# Altium PCB Coral Dev Board Micro.PcbDoc (part 6 of 6)
Units mm, origin at the board's own origin, x right, y up, seen from the top; angles counter-clockwise.
Board outline 65 x 30 mm, 8 copper layers (Top Layer, L2, L3, L4, L5, L6, L7, Bottom Layer), stack 1.582 mm thick; 356 components, 316 nets, 1515 pads, 809 vias.
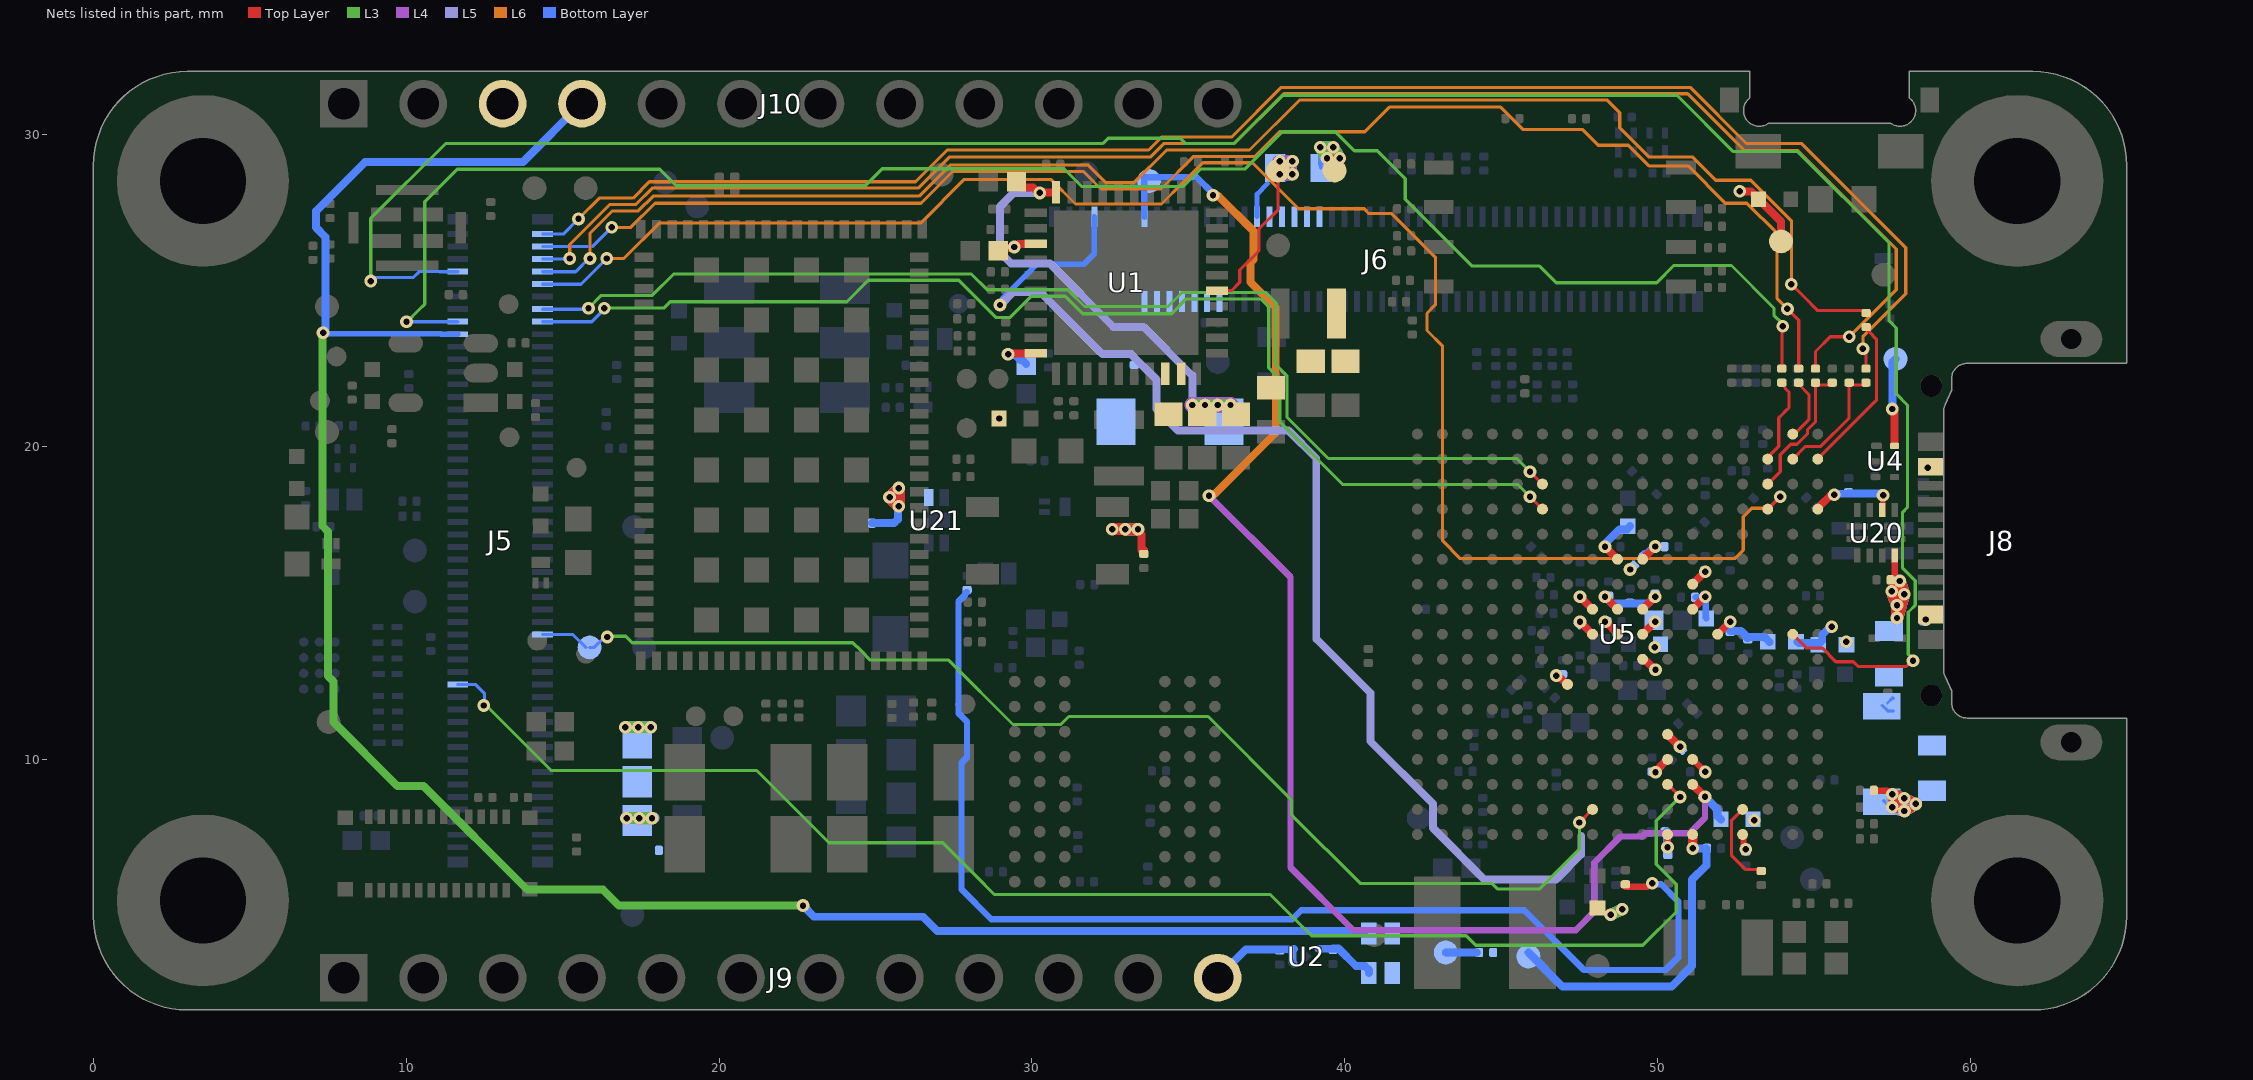
[diagram p12: the nets of this part, all layers, seen from the top]

## Via types
v1: diameter 0.406, hole 0.203, Top Layer to Bottom Layer, tented both sides, 809 vias

## Nets (pads, with @x,y where several pads share a name; then routed paths per layer and width w, separated by ;. In a path a pad name is that pad's centre, name@x,y a point inside that pad or via, vN(x,y) a via of type N, cw(c..) or ccw(c..) an arc to the next point about the centre after c; other vN are vias at no path point) (continued)
VDD_3V3: C2.1 C3.1 C30.1 FB1.2 FB5.1 J6.33 J6.35 J6.37 J6.39 J6.41 J10.3 R2.2 R169.2 R170.2 R194.1 R415.1 TP14.1 TP16.1 U1.3 U1.10 U21.1 | length 19.9
  Top Layer w0.102: v1(39.433,29.223) 39.611,29.223 v1@39.726,29.337 ; v1(39.637,29.578) v1@39.637,29.619
  Top Layer w0.254: C2.1@28.927,26.361 29.409,26.361 v1(29.439,26.391) 29.48,26.391 29.571,26.482 30.112,26.482 U1.3@30.12,26.49 ; v1(29.239,22.958) 29.263,22.982 30.112,22.982 U1.10@30.12,22.99 ; v1(52.629,28.169) 52.992,28.169 53.234,27.927 R170.2@53.234,27.902 ; R170.2@53.234,27.915 R170.2@53.234,27.902 ; TP14.1@53.95,26.568 53.944,26.574 53.944,27.204 53.357,27.792 53.344,27.792 R170.2@53.234,27.902
  Top Layer w0.381: v1@25.717,18.11 25.717,18.116 25.451,18.383 v1(25.451,18.39) v1(25.743,18.682) 25.748,18.677 25.748,18.131 v1@25.756,18.123
  L3 w0.3: v1(25.451,18.39) v1(25.743,18.098) v1(25.743,18.682) v1(25.451,18.39)
  L3 w0.381: v1@39.218,29.566 v1@39.224,29.566 ; v1(39.218,29.578) v1@39.225,29.566 ; v1(48.501,5.042) v1(48.87,5.22) ; v1@39.225,29.566 39.231,29.572 39.423,29.572 v1(39.637,29.578) 39.74,29.398 v1(39.84,29.223) v1(39.433,29.223) 39.33,29.392 v1@39.225,29.566
  L6 w0.381: v1(48.501,5.042) v1(48.87,5.22) ; v1(25.451,18.39) v1(25.743,18.098) v1(25.743,18.682) v1(25.451,18.39)
  L5 w0.381: v1@39.218,29.566 v1@39.224,29.566 ; v1(39.218,29.578) v1@39.225,29.566 ; v1(48.501,5.042) v1(48.87,5.22) ; v1@39.225,29.566 39.33,29.392 v1(39.433,29.223) v1(39.84,29.223) 39.74,29.398 v1(39.637,29.578) 39.423,29.572 39.231,29.572 v1@39.225,29.566 ; v1(25.451,18.39) v1(25.743,18.098) v1(25.743,18.682) v1(25.451,18.39)
  Bottom Layer w0.102: R2.2@39.231,28.918 39.231,29.021 v1(39.433,29.223) ; R415.1@53.057,8.09 53.07,8.077 53.074,8.077 v1(53.09,8.062)
  Bottom Layer w0.152: R2.2@39.218,29.031 v1@39.218,29.566 ; v1@39.624,29.527 39.624,29.566 v1(39.637,29.578) ; v1@39.827,29.235 v1(39.84,29.223)
  Bottom Layer w0.254: C30.1@24.89,17.562 25.594,17.562 25.714,17.682 25.714,18.068 v1(25.743,18.098) ; v1(29.239,22.958) 29.268,22.929 29.472,22.929 29.618,22.782 29.687,22.782 C3.1@29.82,22.65 ; FB1.2@54.473,13.767 54.518,13.722 FB5.1@55.124,13.722 ; FB5.1@55.143,13.678 55.266,13.801 55.266,13.991 55.491,14.216 55.542,14.216 v1(55.571,14.246)
  Bottom Layer w0.381: v1@48.496,5.037 v1(48.501,5.042) v1(48.87,5.22)
  other v1: 28.951,20.904
VDD_3V3_SENSE: C8.1 C9.1 J6.31 L1.2 R2.1 TP3.1 U1.25 | length 12.1
  Top Layer w0.102: U1.25@35.92,24.99 35.924,24.994 36.382,24.994 36.647,25.258 36.647,25.652 37.262,26.266 37.262,26.975 37.871,27.584 TP3.1@37.871,28.829 ; TP3.1@37.876,29.129 37.876,28.834 TP3.1@37.871,28.829 ; v1@38.278,28.702 37.998,28.702 TP3.1@37.871,28.829
  L4 w0.381: v1@38.276,28.712 38.278,28.714 38.278,29.108 38.271,29.108 38.255,29.124 v1@37.881,29.124 ; v1@38.278,28.702 v1@38.273,28.707 ; v1@37.876,29.129 37.874,29.127 37.874,28.73 37.871,28.727 37.878,28.727 37.899,28.707 v1@38.273,28.707 ; v1@37.876,29.129 v1@37.881,29.124 ; v1@37.876,29.129 v1@37.881,29.124 ; v1@37.881,29.124 37.881,29.106 38.273,28.714 v1@38.273,28.707
  L5 w0.381: v1@38.276,28.712 38.278,28.714 38.278,29.108 38.271,29.108 38.255,29.124 v1@37.881,29.124 ; v1@38.278,28.702 v1@38.273,28.707 ; v1@37.876,29.129 37.874,29.127 37.874,28.73 37.871,28.727 37.878,28.727 37.899,28.707 v1@38.273,28.707 ; v1@37.876,29.129 v1@37.881,29.124 ; v1@37.876,29.129 v1@37.881,29.124 ; v1@37.881,29.124 37.881,29.106 38.273,28.714 v1@38.273,28.707
  Bottom Layer w0.102: R2.1@37.871,28.727 R2.1@37.871,28.828 ; R2.1@37.871,28.828 37.876,28.833 37.876,29.129 37.781,29.034 R2.1@37.781,28.918 R2.1@37.871,28.828
  Bottom Layer w0.152: J6.31@37.2,27.355 37.2,28.081 37.528,28.41
  other v1: 37.922,28.715 38.329,28.715 37.922,29.129 38.329,29.129
VDD_COIN_3V: D3.A J5.83 J10.4 | length 66.7
  L3 w0.254: v1(7.341,23.647) 7.315,23.622 7.315,17.474 7.493,17.296 7.493,12.674 7.671,12.496 7.671,11.201 9.713,9.159 10.551,9.159 13.868,5.842 16.287,5.842 16.795,5.334 v1(22.682,5.334)
  Bottom Layer w0.178: v1(7.341,23.647) 7.379,23.609 11.11,23.609 11.114,23.606 11.639,23.606 J5.83@11.645,23.6
  Bottom Layer w0.254: v1(7.341,23.647) 7.341,23.689 7.42,23.768 7.42,26.702 7.112,27.01 7.112,27.534 8.687,29.108 13.728,29.108 J10.4@15.62,31 ; v1(22.682,5.334) 23.038,4.978 26.518,4.978 26.975,4.521 D3.A@40.639,4.521
VDD_LPSR_ANA: C290.1 U5.P12 | length 0.6
  Top Layer w0.203: U5.P12@51.122,10.008 v1(51.522,9.608)
VDD_LPSR_DIG: C296.1 U5.P11 | length 0.7
  Top Layer w0.102: v1(49.936,9.601) v1@49.936,9.622
  Top Layer w0.25: v1@49.936,9.622 U5.P11@50.322,10.008
  Bottom Layer w0.254: C296.1@49.878,9.568 49.933,9.568 49.936,9.571 v1(49.936,9.601)
VDD_LPSR_IN: C300.1 J6.13 R415.2 TP15.1 U5.R12 | length 46.9
  Top Layer w0.254: U5.R12@51.122,9.208 v1(51.516,8.814)
  L4 w0.203: v1(35.662,18.44) 38.265,15.837 38.265,6.553 40.272,4.547 47.384,4.547 47.981,5.143 47.981,6.706 48.819,7.544 49.505,7.544 49.606,7.645 51.024,7.645 51.516,8.138 v1(51.516,8.814)
  L6 w0.254: v1(35.662,18.44) 35.691,18.47 35.818,18.47 37.795,20.447 37.795,24.459 36.982,25.272 36.982,25.888 37.084,25.99 37.084,26.896 35.968,28.012 35.818,28.012 v1(35.789,28.042)
  Bottom Layer w0.203: J6.13@33.6,27.355 33.593,27.362 33.593,28.598 33.579,28.613 35.272,28.613 35.789,28.097 v1(35.789,28.042)
  Bottom Layer w0.254: v1(51.516,8.814) 51.921,8.409 51.921,8.2 R415.2@52.032,8.09
VDD_MIPI_1P0: C272.1 R1848.2 U5.F10 | length 1
  Top Layer w0.25: U5.F10@49.522,16.408 49.924,16.81 v1(49.924,16.815)
  Bottom Layer w0.254: R1848.2@49.619,16.573 49.633,16.559 49.636,16.559 49.892,16.815 v1@49.911,16.815
VDD_MIPI_1P8: C119.1 FB3.2 U5.F9 | length 1.7
  Top Layer w0.254: v1(48.322,16.808) U5.F9@48.722,16.408
  Bottom Layer w0.254: v1(48.322,16.808) 48.325,16.811 48.325,16.905 48.779,17.359 49.019,17.359 FB3.2@49.124,17.464
VDD_SNVS: C302.1 R419.2 TP11.1 U5.U12 | length 10.8
  Top Layer w0.3: U5.U12@51.122,7.608 51.126,7.604 51.126,7.167 v1(51.13,7.163)
  Bottom Layer w0.254: TP11.1@45.872,3.835 46.965,2.743 50.444,2.743 51.105,3.404 51.105,6.165 51.562,6.622 51.562,7.163 v1(51.13,7.163)
VDD_SNVS_3V3: D2.K D3.K R419.1 TP10.1 | length 1
  Bottom Layer w0.254: TP10.1@43.231,3.835 R419.1@44.221,3.835
VDD_SNVS_ANA: C293.1 C305.1 R167.2 R215.2 R1821.2 U5.U11 U5.U14 | length 39.4
  Top Layer w0.203: R1821.2@48.971,5.941 49.675,5.941 49.78,6.045 v1(49.835,6.045) ; v1(50.317,7.201) 50.32,7.203 50.32,7.606 U5.U11@50.322,7.608 ; U5.U14@52.722,7.608 52.75,7.58 52.75,7.262 52.819,7.192 v1(52.819,7.137)
  Bottom Layer w0.102: v1@50.308,7.211 v1(50.317,7.201)
  Bottom Layer w0.203: R167.2@27.927,15.351 27.902,15.351 27.879,15.328 27.879,15.281 27.655,15.057 27.655,11.486 27.927,11.214 27.927,10.071 27.749,9.893 27.749,5.855 28.702,4.902 38.329,4.902 38.608,5.182 45.745,5.182 47.65,3.277 50.267,3.277 50.673,3.683 50.673,5.461 50.118,6.016 49.864,6.016 v1(49.835,6.045)
  Bottom Layer w0.254: v1@50.308,7.185 R215.2@50.308,7.696
VDD_SNVS_DIG: C107.1 U5.T14 | length 2.8
  Top Layer w0.102: U5.T14@52.722,8.408 52.362,8.048 52.362,6.947 52.825,6.484 C107.1@53.316,6.484
VDD_SOC_IN: C61.1 C62.1 C67.1 C260.1 C261.1 C264.1 C266.1 C273.1 R117.2 U5.H8 U5.H9 U5.H10 U5.J8 U5.J9 U5.J10 U5.K10 U5.L7 | length 6.3
  Top Layer w0.254: v1(46.761,12.687) 46.817,12.687 47.096,12.408 U5.L7@47.122,12.408 ; v1(47.522,14.408) U5.J8@47.922,14.008 ; v1(47.522,15.208) U5.H8@47.922,14.808 ; v1(48.322,14.408) 48.343,14.408 48.722,14.029 U5.J9@48.722,14.008 ; v1(48.322,15.208) U5.H9@48.722,14.808 ; U5.K10@49.522,13.208 49.548,13.208 49.596,13.16 49.629,13.16 49.911,12.878 v1(49.936,12.878) ; U5.J10@49.522,14.008 v1(49.922,14.408) ; U5.H10@49.522,14.808 v1(49.922,15.208)
  Bottom Layer w0.254: v1(48.322,15.208) 48.347,15.208 48.395,15.16 48.395,15.135 48.544,14.986 49.7,14.986 49.889,15.175 49.889,15.205 49.892,15.208 v1(49.922,15.208) ; v1(49.911,13.589) R117.2@49.97,13.589
VDD_USB_1P8: C270.1 FB4.2 U5.H12 | length 1.6
  Top Layer w0.254: U5.H12@51.122,14.808 v1(51.522,15.208)
  Bottom Layer w0.203: C270.1@51.222,15.189 51.232,15.199 51.513,15.199 v1(51.522,15.208) 51.537,15.193 51.537,14.54 FB4.2@51.562,14.514
VDD_USB_3P3: C244.1 FB5.2 U5.G12 | length 0.6
  Top Layer w0.254: U5.G12@51.122,15.608 v1(51.522,16.008)
  Bottom Layer w0.203: v1(56.032,13.767) 56.056,13.767 FB5.2@56.069,13.779
VDDA_1P0: C276.1 J6.5 R1848.1 U5.N11 | length 38.3
  Top Layer w0.254: U5.N11@50.322,10.808 v1(50.722,10.408)
  L5 w0.254: v1(28.981,24.536) 28.995,24.536 29.401,24.943 30.277,24.943 32.258,22.962 33.172,22.962 33.985,22.149 33.985,21.209 34.671,20.523 38.202,20.523 39.091,19.634 39.091,13.863 40.818,12.136 40.818,10.592 42.819,8.59 42.819,7.815 44.462,6.172 46.761,6.172 47.561,6.972 47.561,7.557
  Bottom Layer w0.178: v1(28.981,24.536) 28.981,24.598 29.072,24.689 29.072,24.754 30.15,25.832 31.648,25.832 32,26.183 J6.5@32,27.355
  Bottom Layer w0.254: v1(49.124,16.078) 49.149,16.078 R1848.1@49.182,16.111
VDDA_ADC_3P3: C245.1 C257.1 FB1.1 U5.J13 | length 2.3
  Top Layer w0.254: U5.J13@51.922,14.008 v1@52.322,14.408
  Bottom Layer w0.254: v1(52.324,14.408) 52.324,14.122 52.327,14.119 52.666,14.119 52.815,13.971 52.815,13.942 52.863,13.894 C245.1@52.888,13.894 ; C245.1@52.888,13.919 53.421,13.919 FB1.1@53.573,13.767
VSYS: C18.1 C26.1 C28.1 C38.1 C45.1 C87.1 D4.K J6.14 J6.16 J6.18 J6.20 J6.22 J6.24 J6.26 J9.12 R1.1 R4.2 R15.1 R40.2 U2.3 U2.4 | length 21.6
  Top Layer w0.203: R40.2@56.993,9.015 57.006,9.002 57.339,9.002 57.451,8.89 v1(57.506,8.89)
  Top Layer w0.254: v1@33.391,17.358 33.391,17.317 33.506,17.202 33.506,16.701 C28.1@33.579,16.701 ; v1(58.26,8.585) v1@58.252,8.585 ; v1(57.506,8.484) 57.783,8.392 57.818,8.357 v1(57.893,8.357) 57.922,8.386 58.053,8.386 v1@58.252,8.585 ; v1(57.506,8.484) 57.547,8.484 57.797,8.734 57.863,8.734 v1(57.892,8.763) ; v1(57.506,8.484) v1(57.506,8.89) 57.724,8.89 57.851,8.763 v1(57.892,8.763) ; v1(57.892,8.763) 57.921,8.734 58.07,8.734 58.219,8.585 v1@58.252,8.585
  Top Layer w0.381: v1(32.567,17.37) 32.977,17.37 32.985,17.362 33.387,17.362 v1@33.391,17.358
  L4 w0.381: v1(17.043,8.128) v1(17.45,8.128) v1(17.856,8.128)
  L3 w0.254: v1(32.567,17.37) 32.977,17.37 32.985,17.362 v1@33.387,17.362
  L3 w0.381: v1(17.005,11.036) v1(17.412,11.036) v1(17.818,11.036) ; v1(17.043,8.128) v1(17.45,8.128) v1(17.856,8.128)
  L6 w0.381: v1(17.005,11.036) v1(17.412,11.036) v1(17.818,11.036) ; v1@17.094,8.128 v1(17.45,8.128) ; v1@17.45,8.115 17.691,8.115 17.699,8.123 17.851,8.123 v1(17.856,8.128) ; v1(32.567,17.37) 32.977,17.37 32.985,17.362 33.387,17.362 v1@33.391,17.358 ; v1(57.506,8.484) 57.772,8.396 v1(57.893,8.357) 58.074,8.47 v1(58.26,8.585) 58.024,8.681 57.882,8.738 57.647,8.833 57.544,8.875 57.528,8.89 v1(57.506,8.89) v1(57.506,8.484)
  L5 w0.381: v1(17.005,11.036) v1(17.412,11.036) v1(17.818,11.036) ; v1@17.094,8.128 v1(17.45,8.128) v1(17.856,8.128) v1@17.907,8.128 ; v1(32.567,17.37) 32.977,17.37 32.985,17.362 33.387,17.362 v1@33.391,17.358 ; v1(57.506,8.484) 57.772,8.396 v1(57.893,8.357) 58.074,8.47 v1(58.26,8.585) 58.024,8.681 57.882,8.738 57.647,8.833 v1(57.506,8.89) v1(57.506,8.484)
  Bottom Layer w0.102: C18.1@37.886,3.937 C18.1@37.887,3.938 ; U2.4@38.37,3.938 U2.4@38.38,3.948 ; D4.K@57.232,8.686 57.435,8.484 v1(57.506,8.484)
  Bottom Layer w0.254: J9.12@35.94,3.03 36.847,3.937 C18.1@37.886,3.937 ; C18.1@37.887,3.938 U2.4@38.37,3.938 ; U2.3@38.37,3.478 38.329,3.52 38.329,3.897 U2.4@38.38,3.948
  Bottom Layer w0.381: v1(17.005,11.036) v1(17.412,11.036) v1(17.818,11.036)
  other v1: 32.981,17.366 33.391,17.366
VSYS_DA: C4.1 C5.1 C6.1 C7.1 C32.1 R1.2 U1.18 U1.19 U1.40 | length 17.9
  Top Layer w0.254: C32.1@29.508,28.473 29.691,28.29 30.038,28.29 30.21,28.118 v1(30.251,28.118) 30.262,28.129 30.762,28.129 30.77,28.137 U1.40@30.77,28.14
  L4 w0.508: v1(35.128,21.336) v1(35.535,21.336) v1(35.941,21.336) v1(36.347,21.336)
  L3 w0.381: v1(35.128,21.336) v1(35.535,21.336) v1(35.941,21.336) v1(36.347,21.336)
  L6 w0.381: v1(35.128,21.336) v1(35.535,21.336) v1(35.941,21.336) v1(36.347,21.336)
  L5 w0.254: v1(30.251,28.118) 29.413,28.118 28.981,27.686 28.981,26.213 29.337,25.857 30.582,25.857 32.601,23.838 33.566,23.838 35.128,22.276 v1(35.128,21.336)
  L5 w0.381: v1(35.128,21.336) 35.133,21.331 35.26,21.331 35.268,21.323 35.522,21.323 v1(35.535,21.336) v1(35.941,21.336) v1(36.347,21.336)
VSYS_SNVS_D: C21.1 D2.A U2.1 | length 2
  Bottom Layer w0.102: U2.1@39.16,3.948 U2.1@39.167,3.955 ; C21.1@39.623,3.955 C21.1@39.627,3.959
  Bottom Layer w0.254: U2.1@39.167,3.955 C21.1@39.623,3.955 ; C21.1@39.627,3.959 39.805,3.959 40.366,3.398 40.65,3.398 40.773,3.275 D2.A@40.773,3.175
VUSB: C84.1 C85.1 C252.1 J8.2 J8.11 R8.2 TP45.1 U4.6 U5.D17 U20.4 U20.12 | length 16.3
  Top Layer w0.102: v1(58.572,14.478) 58.72,14.626 J8.2@58.72,14.64 ; v1(58.643,19.332) 58.692,19.332 J8.11@58.72,19.36
  Top Layer w0.178: U20.4@57.185,17.975 57.196,17.986 57.196,18.436 v1(57.211,18.451)
  Top Layer w0.203: v1(57.488,15.388) 57.526,15.426 C84.1@57.526,15.647 ; C84.1@57.526,15.748 57.583,15.805 57.583,16.523 U20.12@57.585,16.525
  Top Layer w0.254: U5.D17@55.122,18.008 55.122,18.034 55.212,18.124 55.212,18.129 55.52,18.437 55.622,18.437 v1(55.651,18.466) ; v1(57.506,21.209) 57.506,21.168 57.577,21.096 U4.6@57.577,20.06
  Top Layer w0.381: v1@57.493,15.383 v1(57.488,15.388) 57.565,15.185 ; v1@57.57,15.305 57.58,15.296 57.882,15.296 v1(57.887,15.291) ; v1@57.597,15.522 57.597,15.625 v1@57.623,15.651 ; v1@57.68,15.626 v1@57.701,15.647 ; v1@57.882,15.286 v1(57.887,15.291) ; 57.566,15.182 57.57,15.171 ; 57.566,15.182 57.572,15.176 v1(57.658,14.939) ; 57.566,15.182 57.57,15.171 ; 57.565,15.185 cw(c57.921,15.319) 57.625,15.558 57.679,15.625 v1(57.747,15.71) 57.818,15.498 v1(57.887,15.291) ; 57.565,15.185 ccw(c57.921,15.319) 57.566,15.183 57.565,15.185 ; 57.57,15.171 v1(57.658,14.939) ; 57.57,15.171 v1(57.658,14.939) ; v1(57.658,14.939) v1(57.658,14.529) 57.771,14.905 v1(57.887,15.291)
  L3 w0.381: v1(57.658,14.529) v1(57.658,14.939) 57.653,14.944 57.653,15.216 57.488,15.381 v1(57.488,15.388) 57.597,15.524 v1(57.747,15.71) 57.818,15.498 v1(57.887,15.291) 57.887,15.284 v1@57.663,15.06
  L5 w0.381: v1@57.555,15.321 57.572,15.304 57.572,15.176 v1(57.658,14.939) ; v1@57.619,15.36 57.732,15.36 v1@57.771,15.321 ; v1@57.672,15.616 v1@57.668,15.612 ; v1(57.658,14.939) 57.57,15.171 v1(57.488,15.388) 57.597,15.524 v1@57.668,15.612 ; v1(57.658,14.939) v1(57.658,14.529) 57.771,14.905 v1(57.887,15.291) 57.818,15.498 57.817,15.5 ; v1@57.668,15.612 v1(57.747,15.71) ; v1(57.747,15.71) 57.817,15.5 ; v1(57.747,15.71) 57.817,15.5
  Bottom Layer w0.102: C85.1@58.511,14.499 58.552,14.499 v1(58.572,14.478)
  Bottom Layer w0.254: v1(55.651,18.466) 55.693,18.466 55.728,18.501 56.106,18.501 56.109,18.504 57.117,18.504 57.17,18.451 v1(57.211,18.451) ; v1(57.506,21.209) 57.506,22.406 57.51,22.411 57.51,22.712 TP45.1@57.607,22.809
VUSB_R: D4.A R8.1 R15.2 | length 0.7
  Bottom Layer w0.102: D4.A@57.175,11.736 57.354,11.557 D4.A@57.544,11.557 ; D4.A@57.353,11.811 57.506,11.963 D4.A@57.544,11.963
WAKEUP: J5.36 TP9.1 U5.T8 | length 39.1
  Top Layer w0.102: v1(47.503,7.989) U5.T8@47.922,8.408
  L3 w0.102: v1(16.421,13.919) 16.447,13.945 17.018,13.945 17.225,13.738 24.279,13.738 24.524,13.493 24.834,13.183 27.338,13.183 29.396,11.125 30.928,11.125 31.182,11.379 35.632,11.379 38.295,8.716 38.295,8.245 40.494,6.045 44.704,6.045 44.882,5.867 46.236,5.867 47.503,7.135 v1(47.503,7.989)
  Bottom Layer w0.102: J5.36@14.355,14 15.324,14 TP9.1@15.735,13.589 ; TP9.1@15.862,13.589 16.008,13.589 16.339,13.919 v1(16.421,13.919)
WIFI_POWER_EN: J5.27 U5.R11 | length 47.9
  Top Layer w0.102: U5.R11@50.322,9.208 v1(50.722,8.808)
  L3 w0.102: v1(12.477,11.73) 12.556,11.73 14.633,9.652 21.201,9.652 23.512,7.341 27.149,7.341 28.207,6.283 28.8,5.69 37.617,5.69 38.938,4.369 43.88,4.369 44.185,4.064 49.53,4.064 50.597,5.131 50.597,6.02 49.962,6.655 49.962,8.048 v1(50.722,8.808)
  Bottom Layer w0.102: J5.27@11.645,12.4 12.225,12.4 12.497,12.128 12.497,11.75 v1(12.477,11.73)
WIFI_SDIO_CLK: J5.92 U5.D15 | length 54.5
  Top Layer w0.102: U5.D15@53.522,18.008 v1(53.922,18.408)
  L6 w0.102: v1(16.408,26.022) 16.954,26.022 18.085,27.153 26.441,27.153 27.838,28.55 30.607,28.55 31.394,27.762 34.144,27.762 34.823,28.441 35.465,29.083 37.051,29.083 38.524,27.61 40.626,27.61 40.778,27.457 41.504,27.457 42.901,26.06 42.901,24.536 42.631,24.267 42.631,23.718 43.129,23.22 43.129,16.993 43.695,16.427 48.97,16.427 48.976,16.434 49.271,16.434 49.278,16.427 52.47,16.427 52.741,16.698 52.741,17.765 53.01,18.034 53.548,18.034 v1(53.922,18.408)
  Bottom Layer w0.102: J5.92@14.355,25.2 15.586,25.2 v1(16.408,26.022)
WIFI_SDIO_CMD: J5.100 R32.2 | length 52
  Top Layer w0.102: v1(56.566,23.139) 56.566,23.057 56.663,22.96 R32.2@56.663,22.576
  L6 w0.102: v1(15.507,27.287) 16.17,27.95 17.25,27.95 17.774,28.473 26.278,28.473 27.294,29.489 33.731,29.489 34.144,29.903 36.382,29.903 37.971,31.492 51.046,31.492 52.845,29.693 54.61,29.693 57.937,26.365 57.937,24.892 56.566,23.52 v1(56.566,23.139)
  Bottom Layer w0.102: J5.100@14.355,26.8 15.02,26.8 v1(15.507,27.287)
WIFI_SDIO_CMD_R: R32.1 R373.1 U5.B16 | length 3.9
  Top Layer w0.102: U5.B16@54.322,19.608 54.729,20.015 55.22,20.015 56.126,20.921 56.126,21.976 R32.1@56.663,21.976
WIFI_SDIO_D0: J5.96 R33.2 | length 53
  Top Layer w0.102: R33.2@55.05,22.576 55.05,23.046 55.524,23.52 v1(56.134,23.52)
  L6 w0.102: v1(15.227,26.022) 15.227,26.467 16.507,27.747 17.334,27.747 17.858,28.27 26.362,28.27 27.353,29.261 33.789,29.261 34.228,29.7 36.466,29.7 38.055,31.289 50.961,31.289 52.786,29.464 54.492,29.464 57.633,26.323 57.633,25.019 v1(56.134,23.52)
  Bottom Layer w0.102: J5.96@14.355,26 15.205,26 v1(15.227,26.022)
WIFI_SDIO_D0_R: R33.1 R374.1 U5.C15 | length 4.4
  Top Layer w0.102: U5.C15@53.522,18.808 53.922,19.208 53.922,19.748 54.254,20.081 54.458,20.081 54.795,20.418 54.795,20.544 55.05,20.799 R33.1@55.05,21.976 ; R33.1@55.05,21.973 R374.1@55.547,21.973
WIFI_SDIO_D1: J5.94 R34.2 | length 49.8
  Top Layer w0.102: v1(54.28,25.197) 54.654,24.822 55.123,24.354 R34.2@56.667,24.354
  L6 w0.102: v1(15.875,26.022) 15.875,26.827 16.591,27.544 17.419,27.544 17.891,28.016 26.395,28.016 27.386,29.007 31.801,29.007 32.362,28.445 33.261,28.445 34.305,29.489 36.957,29.489 38.553,31.086 48.394,31.086 48.793,30.686 48.793,30.201 49.733,29.261 51.127,29.261 51.863,28.525 52.984,28.525 54.28,27.229 v1(54.28,25.197)
  Bottom Layer w0.102: J5.94@14.355,25.6 15.415,25.6 15.837,26.022 v1(15.875,26.022)
WIFI_SDIO_D1_R: R34.1 U5.B17 | length 5.1
  Top Layer w0.102: U5.B17@55.122,19.608 55.122,19.616 56.998,21.491 56.998,23.444 56.767,23.675 56.767,23.68 56.692,23.754 R34.1@56.667,23.754
WIFI_SDIO_D2: J5.85 R35.2 | length 55.9
  Top Layer w0.102: R35.2@53.975,22.576 53.975,23.825 v1(54,23.851)
  L3 w0.102: v1(10.008,24.003) 10.033,24.003 10.392,24.362 10.592,24.562 10.592,27.838 11.628,28.875 18.107,28.875 18.636,28.346 24.674,28.346 25.214,28.887 31.027,28.887 31.593,28.321 34.833,28.321 35.392,28.88 36.805,28.88 37.998,30.074 39.7,30.074 40.31,29.464 41.046,29.464 41.935,28.575 41.935,27.915 44.071,25.779 46.23,25.779 46.761,25.248 49.97,25.248 50.518,25.796 52.365,25.796 53.721,24.44 53.721,24.212 54,23.933 v1(54,23.851)
  Bottom Layer w0.102: v1(10.008,24.003) 10.009,24.001 11.643,24.001 J5.85@11.645,24
WIFI_SDIO_D2_R: R35.1 U5.B15 | length 2.8
  Top Layer w0.102: U5.B15@53.522,19.608 53.522,19.664 53.875,20.017 53.875,20.926 53.98,21.031 54.102,21.153 54.204,21.255 54.204,21.747 54.074,21.877 54.074,21.902 54,21.976 R35.1@53.975,21.976
WIFI_SDIO_D3: J5.98 R36.2 | length 48
  Top Layer w0.102: v1(54.153,24.409) 54.513,24.05 R36.2@54.513,22.576
  L6 w0.102: v1(16.566,27.015) 17.178,27.015 17.95,27.788 26.454,27.788 27.47,28.804 31.648,28.804 32.21,28.242 34.127,28.242 35.171,29.286 37.135,29.286 37.922,30.074 40.64,30.074 41.427,30.861 44.983,30.861 45.695,30.15 47.6,30.15 48.108,29.642 49.065,29.642 49.725,28.981 50.978,28.981 52.172,27.788 52.857,27.788 53.823,26.822 53.823,24.74 v1(54.153,24.409)
  Bottom Layer w0.102: J5.98@14.355,26.4 15.95,26.4 v1(16.566,27.015)
WIFI_SDIO_D3_R: R36.1 U5.A16 | length 2
  Top Layer w0.102: U5.A16@54.322,20.408 54.371,20.408 54.813,20.851 54.813,20.859 54.839,20.884 54.839,21.675 54.538,21.976 R36.1@54.513,21.976
WL_ANT_SEL: J5.88 U5.C6 | length 37.5
  Top Layer w0.102: v1(45.922,19.208) U5.C6@46.322,18.808
  L3 w0.102: v1(15.824,24.435) 16.231,24.841 17.861,24.841 18.547,25.527 28.06,25.527 28.568,25.019 31.147,25.019 31.68,24.486 34.35,24.486 34.797,24.933 37.475,24.933 37.795,24.613 37.795,22.631 38.151,22.276 38.151,20.955 39.479,19.627 45.503,19.627 v1(45.922,19.208)
  Bottom Layer w0.102: J5.88@14.355,24.4 15.789,24.4 v1(15.824,24.435)
WL_HOST_WAKE: J5.86 U5.D6 | length 38.5
  Top Layer w0.102: v1(45.922,18.408) U5.D6@46.322,18.008
  L3 w0.102: v1(16.332,24.435) 18.237,24.435 18.44,24.638 24.088,24.638 24.774,25.324 27.666,25.324 28.86,24.13 29.291,24.13 29.977,24.816 31.063,24.816 31.622,24.257 34.468,24.257 34.94,24.729 37.318,24.729 37.571,24.476 37.571,22.525 37.922,22.174 37.922,20.808 39.934,18.796 45.534,18.796 v1(45.922,18.408)
  Bottom Layer w0.102: J5.86@14.355,24 15.935,24 16.332,24.397 v1(16.332,24.435)
WL_REG_ON: J5.93 U5.J16 | length 75.5
  Top Layer w0.102: U5.J16@54.322,14.008 54.756,13.574 55.26,13.574 55.702,13.132 56.261,13.132 56.413,12.979 57.954,12.979 58.132,13.157 v1(58.166,13.157)
  L3 w0.102: v1(8.865,25.298) 8.865,27.304 11.254,29.693 24.87,29.693 24.878,29.7 32.277,29.7 32.442,29.865 34.738,29.865 34.903,29.7 36.475,29.7 38.017,31.242 50.622,31.242 52.426,29.439 54.483,29.439 57.404,26.518 57.404,24.028 57.633,23.8 57.633,21.692 57.988,21.336 57.988,18.062 57.836,17.91 57.836,16.124 58.242,15.717 58.242,14.94 58.039,14.737 58.039,14.735 58.014,14.709 58.014,13.369 58.166,13.217 v1(58.166,13.157)
  Bottom Layer w0.102: v1(8.865,25.298) 8.979,25.413 10.223,25.413 10.412,25.602 11.068,25.602 11.07,25.6 J5.93@11.645,25.6
pads on no net: J6.23 J6.25 J6.27 J6.29 J8.0 J8.3 J8.9 SW1.1 U1.6 U1.8 U1.12 U1.26 U1.27 U1.31 U1.33 U1.34 U1.35 U3.5 U4.5 U5.M13 U6.B1 U6.C1 U18.E2 U20.6 U20.7 U20.8 U20.11 U22.4 U23.4 U23.5 U23.78

## Polygon pours and split planes (outlines as drawn)
GND on Top Layer "GND_L01_P172" (solid, pour order 172): 53.2,30.8 53.2,32 50.9,32 50.9,30.2 52.3,28.8 54.9,28.8 55.1,29 55.1,30.8
GND on Top Layer "GND_L01_P174" (solid, pour order 174): 57.6,30.3 59.7,30.3 60.6,31.2 60.6,32.5 57.7,32.5 57.6,32.5
POR_B on Top Layer "POR_B_L01_P173" (solid, pour order 173): 57,28.6 57.5,28.1 58.3,28.1 58.7,28.5 58.7,30.2 55.4,30.2 55.4,28.7 55.5,28.6
VSYS_DA on Top Layer "NONET_L06_P-001" (solid, remove dead copper, pour order 144): 21 vertices, not listed, extent 33.807,20.523 38.151,22.694
BUCK3_SW on Top Layer "NONET_L06_P-001" (solid, remove dead copper, pour order 143): 33.934,22.703 33.96,22.677 33.96,21.823 33.604,21.457 33.604,20.574 31.991,20.574 31.991,21.247 32.131,21.387 32.537,21.387 33.02,21.869 33.426,21.869 33.581,22.024 33.581,22.652 33.632,22.703
VDD_1V8_SENSE on Top Layer "NONET_L06_P-001" (solid, remove dead copper, pour order 145): 31.991,19.329 31.991,18.732 32.08,18.644 33.122,18.644 33.706,18.059 33.706,17.145 33.985,16.866 34.442,16.866 34.595,17.018 34.595,17.247 34.493,17.348 34.493,18.898 34.392,18.999 33.934,18.999 33.604,19.329
GND on Top Layer "GND_" (solid, pour order 170): 27.381,10.744 28.194,10.744 28.296,10.642 28.3,10.363 28.3,6.278 28.222,6.2 25.4,6.2 25.197,6.403 25.197,11.506 25.289,11.599 26.52,11.605
GND on Top Layer "L1-GND 8" (solid, pour order 34): 66 vertices, not listed, extent 17.259,12.852 26.765,27.28
MCM_3V3 on Top Layer "MCM_3V3_L01_P035" (solid, remove dead copper, pour order 35): 31 vertices, not listed, extent 21.5,6.2 28.27,15.697
VDD_3V3_SENSE on Top Layer "NONET_L06_P-001" (solid, remove dead copper, pour order 146): 20 vertices, not listed, extent 37.414,22.25 40.538,29.362
BUCK2_SW on Top Layer "Top Layer-No Net" (solid, pour order 140): 17 vertices, not listed, extent 35.128,21.971 38.329,25.121
VSYS on Top Layer "NONET_L06_P-001" (solid, remove dead copper, pour order 165): 57.404,9.093 58.268,9.093 58.471,8.89 58.471,8.331 58.293,8.153 57.531,8.153 57.302,8.382 57.302,8.992
GND on Top Layer "NONET_L06_P-001" (solid, remove dead copper, pour order 78): 26 vertices, not listed, extent 33.858,17.297 40.513,21.946
VDD_3V3 on Top Layer "NONET_L06_P-001" (solid, remove dead copper, pour order 108): 39.472,28.397 39.878,28.397 40.259,28.778 40.259,29.693 40.145,29.807 38.938,29.807 38.811,29.68 38.811,29.058
VDD_3V3 on Top Layer "VDD_3V3_L01_P081" (solid, remove dead copper, pour order 81): 47.79,5.558 47.752,5.52 47.752,4.61 47.828,4.534 48.958,4.534 49.073,4.648 49.073,5.385 48.9,5.558
GND on Top Layer "NONET_L06_P-001" (solid, remove dead copper, pour order 77): 28.258,15.291 28.359,15.392 29.616,15.392 29.743,15.265 29.743,14.618 28.689,13.564 28.296,13.564 28.257,13.602 28.257,13.729
VDD_USB_3P3 on Bottom Layer "NONET_L06_P-001" (solid, remove dead copper, pour order 68): 25 vertices, not listed, extent 51.194,13.487 56.667,16.51
DCDC_1V8_OUT_SENSE on Bottom Layer "DCDC_1V8_OUT_SENSE_L08_P049" (solid, remove dead copper, pour order 49): 23 vertices, not listed, extent 46.634,5.994 49.53,11.544
MCM_3V3_SENSE on Bottom Layer "MCM_3V3_SENSE_L08_P009" (solid, remove dead copper, pour order 9): 25.082,17.234 24.683,16.835 24.683,15.88 24.867,15.697 26.086,15.697 26.898,16.51 26.898,17.234
GND on Bottom Layer "NONET_L06_P-001" (solid, remove dead copper, pour order 137): 28 vertices, not listed, extent 18.948,12.281 28.804,28.524
RT_DCDC_MODE on Bottom Layer "RT_DCDC_MODE_L08_P058" (solid, remove dead copper, pour order 58): 21 vertices, not listed, extent 43.955,7.607 46.533,10.897
VSYS on Bottom Layer "NONET_L06_P-001" (solid, remove dead copper, pour order 64): 21 vertices, not listed, extent 31.852,17.043 36.074,25.121
GND on Bottom Layer "NONET_L06_P-001" (solid, remove dead copper, pour order 150): 21.399,5.791 21.476,5.867 21.476,9.124 19.4,11.2 18.541,11.2 18.39,11.049 18.39,6.706 19.012,6.083 19.304,5.791
GND on Bottom Layer "GND_L08_P169" (solid, pour order 169): 25.197,12.097 25.288,12.188 26.412,12.188 26.568,12.032 26.568,6.706 26.416,6.553 25.349,6.553 25.197,6.706
GND on Bottom Layer "GND_L08_P171" (solid, pour order 171): 17 vertices, not listed, extent 26.48,17.408 29.007,19.075
MCM_3V3 on Bottom Layer "NONET_L06_P-001" (solid, remove dead copper, pour order 71): 23.622,12.878 23.266,12.522 23.266,7.163 23.876,6.553 24.816,6.553 24.994,6.731 24.994,12.294 25.098,12.398 26.202,12.404 26.35,12.555 26.346,13.494 26.35,14.443 26.06,14.732 24.867,14.732 23.622,13.487
VDD_3V3 on Bottom Layer "NONET_L06_P-001" (solid, remove dead copper, pour order 109): 24.689,17.932 24.689,17.399 24.74,17.348 25.07,17.348 26.873,17.348 26.873,18.999 25.756,18.999
VDD_1V8_SENSE on Bottom Layer "NONET_L06_P-001" (solid, remove dead copper, pour order 147): 17 vertices, not listed, extent 33.807,16.866 38.887,22.504
VSYS on Bottom Layer "NONET_L06_P-001" (solid, remove dead copper, pour order 157): 59.36,8.534 59.233,8.407 58.807,8.407 58.553,8.153 56.49,8.153 56.412,8.231 56.416,9.182 56.696,9.461 59.271,9.461 59.36,9.373
VUSB_R on Bottom Layer "NONET_L06_P-001" (solid, remove dead copper, pour order 156): 56.464,10.734 57.191,10.008 59.258,10.008 59.36,10.109 59.36,10.947 59.233,11.074 58.217,11.074 57.912,11.379 57.912,12.979 57.836,13.056 56.921,13.056 56.464,12.598
VDD_3V3 on Bottom Layer "NONET_L06_P-001" (solid, remove dead copper, pour order 62): 38.76,29.566 38.989,29.794 39.853,29.794 40.081,29.566 40.081,28.702 39.37,27.991 39.37,27.026 39.294,26.949 37.478,26.949 37.427,27 37.427,27.94 37.567,28.08 38.163,28.08 38.76,28.677
VUSB on Bottom Layer "NONET_L06_P-001" (solid, remove dead copper, pour order 161): 56.921,13.767 56.972,13.716 57.887,13.716 57.937,13.767 57.937,14.961 58.09,15.113 58.09,15.85 57.988,15.951 57.074,15.951 56.921,15.799 56.921,14.783
VDD_SNVS on Bottom Layer "NONET_L06_P-001" (solid, remove dead copper, pour order 160): 44.755,4.242 44.704,4.191 44.704,2.591 44.806,2.489 50.809,2.489 51.714,3.394 51.714,7.315 51.638,7.391 51.003,7.391 50.952,7.341 50.952,3.531 50.47,3.048 47.269,3.048 46.076,4.242
VDD_1V8 on Bottom Layer "VDD_1V8_L08_P022" (solid, remove dead copper, pour order 22): 38.024,22.835 38.125,22.936 38.125,24.943 38.049,25.019 36.36,25.019 36.284,24.943 36.284,23.254 36.703,22.835
VDD_SNVS_3V3 on Bottom Layer "NONET_L06_P-001" (solid, remove dead copper, pour order 159): 41.275,4.75 41.326,4.801 43.688,4.801 44.348,4.14 44.348,3.353 43.663,2.667 41.732,2.667 41.351,2.667 41.275,2.743
GND on Bottom Layer "GND_L08_P056" (solid, remove dead copper, pour order 56): 47.676,3.81 47.879,3.607 50.114,3.607 50.394,3.886 50.394,5.461 50.14,5.715 49.479,5.715 49.098,6.096 47.727,6.096 47.676,6.045
GND on Bottom Layer "NONET_L06_P-001" (solid, remove dead copper, pour order 84): 19 vertices, not listed, extent 28.384,12.675 30.442,14.973
DCDC_PSWITCH on Bottom Layer "DCDC_PSWITCH_L08_P052" (solid, remove dead copper, pour order 52): 42.888,7.607 43.015,7.48 44.018,7.48 44.082,7.544 44.082,9.144 43.802,9.423 43.802,9.766 43.701,9.868 43.205,9.868 43.129,9.792 43.129,9.215 42.888,8.974
VDD_3V3_SENSE on Bottom Layer "VDD_3V3_SENSE_L08_P026" (solid, remove dead copper, pour order 26): 38.481,29.362 38.379,29.464 37.465,29.464 37.338,29.337 37.338,28.423 37.465,28.296 38.151,28.296 38.481,28.626
GND on Bottom Layer "GND_L08_P057" (solid, remove dead copper, pour order 57): 42.126,6.134 41.44,6.134 41.224,6.35 41.224,6.807 41.554,7.137 41.885,7.137 42.215,7.468 42.596,7.468 42.901,7.163 43.332,7.163 43.485,7.01 43.485,6.198 43.421,6.134
VSYS_DA on Bottom Layer "NONET_L06_P-001" (solid, remove dead copper, pour order 65): 35.052,21.742 34.9,21.59 34.9,20.886 35.433,20.353 35.433,20.066 35.509,19.99 36.754,19.99 36.83,20.066 36.83,21.666 36.754,21.742
VDD_1V8 on Bottom Layer "NONET_L06_P-001" (solid, remove dead copper, pour order 114): 30.645,15.177 30.645,14.211 30.683,14.173 31.42,14.173 31.521,14.275 31.521,14.922 31.674,15.075 31.674,15.786 31.636,15.824 31.293,15.824
NetC57_1 on Bottom Layer "NETC57_1_L08_P003" (solid, remove dead copper, pour order 3): 31 vertices, not listed, extent 47.358,11.811 49.428,13.97
VSYS on Bottom Layer "VSYS_L08_P037" (solid, remove dead copper, pour order 37): 17.559,6.8 18.2,6.8 18.2,7.632 18.098,7.734 18.097,11.036 17.882,11.252 16.688,11.252 16.485,11.048 16.485,7.874
MCU_DCDC_IN on Bottom Layer "MCU_DCDC_IN_L08_P054" (solid, remove dead copper, pour order 54): 17 vertices, not listed, extent 43.688,5.944 46.253,7.341
SDRAM_1V8 on Bottom Layer "NONET_L06_P-001" (solid, remove dead copper, pour order 70): 17 vertices, not listed, extent 29.172,12.738 31.166,13.97
VDD_3V3 on L4 "VDD_3V3_L04_P044" (solid, remove dead copper, pour order 44): 63 vertices, not listed, extent 9.83,4.559 58.227,32.563
GND on L4 "NONET_L06_P-001" (solid, remove dead copper, pour order 107): 42 vertices, not listed, extent 6.096,2.032 28.435,32.36
GND on L4 "NONET_L06_P-001" (solid, remove dead copper, pour order 112): 42 vertices, not listed, extent 26.518,4.724 46.152,24.46
MCU_DCDC_IN on L4 "MCU_DCDC_IN_L04_P039" (solid, remove dead copper, pour order 39): 45.987,6.883 46.114,6.756 46.114,6.464 46.025,6.375 44.133,6.375 43.82,6.688 43.82,12.273 43.923,12.376 45.377,12.376 45.522,12.235 45.555,12.207 45.555,10.668 45.618,10.604 45.618,7.087 45.822,6.883
ADC_1V8_IN on L4 "ADC_1V8_IN_L04_P030" (solid, remove dead copper, pour order 30): 23 vertices, not listed, extent 50.216,9.119 54.839,15.697
VSYS on L4 "VSYS_L04_P016" (solid, remove dead copper, pour order 16): 43 vertices, not listed, extent 16.739,2.032 59.731,17.793
MCM_3V3 on L4 "NONET_L06_P-001" (solid, remove dead copper, pour order 135): 20 vertices, not listed, extent 23.673,12.509 26.327,17.399
VUSB on L4 "VUSB_L04_P029" (solid, remove dead copper, pour order 29): 58.598,14.173 59.131,14.707 59.131,20.803 58.75,21.184 57.455,21.184 57.277,21.006 57.277,19.126 57.023,18.872 57.023,14.3 57.15,14.173
MCM_3V3 on L4 "L4-MCM_3V3" (solid, remove dead copper, pour order 80): 52.629,18.11 52.817,17.922 54.727,17.922 54.889,18.085 54.889,18.567 54.127,19.329 52.737,20.72 44.825,20.72 44.653,20.549 44.653,18.948 44.806,18.796 52.349,18.796 52.629,18.517
VDD_1V8 on L4 "NONET_L06_P-001" (solid, remove dead copper, pour order 163): 23 vertices, not listed, extent 45.451,13.106 52.817,18.618
DCDC_1V8_OUT on L4 "NONET_L06_P-001" (solid, remove dead copper, pour order 82): 17 vertices, not listed, extent 45.72,5.245 48.019,11.739
VDD_SOC_IN on L4 "VDD_SOC_IN_L04_P028" (solid, remove dead copper, pour order 28): 46.66,13.263 46.533,13.136 46.533,12.497 46.66,12.37 48.616,12.37 48.92,12.675 50.025,12.675 50.127,12.776 50.127,15.316 50.025,15.418 47.269,15.418 47.066,15.215 47.066,13.386 46.939,13.259
SDRAM_1V8 on L4 "SDRAM_1V8_L04_P041" (solid, remove dead copper, pour order 41): 29.439,14.008 31.483,14.008 32.169,13.322 34.163,13.322 34.366,13.119 34.366,6.68 34.163,6.477 34.036,6.363 33.566,5.893 29.286,5.893 28.423,6.756 28.423,12.992
VDD_1V8 on L5 "NONET_L06_P-001" (solid, remove dead copper, pour order 153): 41 vertices, not listed, extent 39.726,10.871 58.933,31.801
VDD_1V8 on L5 "VDD_1V8_L05_P059" (solid, remove dead copper, pour order 59): 41 vertices, not listed, extent 6.198,2.159 40.202,31.891
GND on L5 "L5-GND" (solid, pour order 134): 61 vertices, not listed, extent 16.116,2.273 64.732,26.289
DCDC_1V8_OUT on L5 "L5-DCDC_1V8_OUT" (solid, pour order 126): 23 vertices, not listed, extent 39.385,10.617 56.515,30.861
VDD_1V8 on L5 "NONET_L06_P-001" (solid, remove dead copper, pour order 162): 45.593,17.018 45.451,16.876 45.451,12.487 45.644,12.294 46.076,12.294 46.304,12.065 46.304,9.474 46.457,9.322 47.346,9.322 48.011,9.987 48.011,16.708 47.701,17.018
VDD_SNVS_ANA on L5 "VDD_SNVS_ANA_L05_P046" (solid, remove dead copper, pour order 46): 50.406,7.76 49.632,6.985 49.632,4.661 49.873,4.42 53.137,4.42 53.264,4.547 53.264,7.366 52.87,7.76
VDDA_1P0 on L5 "VDDA_1P0_L05_P031" (solid, remove dead copper, pour order 31): 17 vertices, not listed, extent 46.99,7.379 51.334,16.485
VDD_3V3_SENSE on L6 "NONET_L06_P-001" (solid, remove dead copper, pour order 168): 37.795,29.337 38.456,29.337 38.532,29.261 38.532,28.6 38.43,28.499 37.821,28.499 37.719,28.6 37.719,29.261
VUSB on L6 "NONET_L06_P-001" (solid, remove dead copper, pour order 158): 56.921,20.921 56.921,21.158 57.201,21.438 58.471,21.438 58.725,21.184 59.233,20.676 59.233,14.732 58.699,14.199 57.607,14.199 56.921,14.884 56.921,15.621
VDD_3V3 on L6 "NONET_L06_P-001" (solid, remove dead copper, pour order 106): 39.827,29.82 40.069,29.578 40.069,29.108 39.941,28.981 38.964,28.981 38.824,29.121 38.824,29.502 39.141,29.82
QSPI_1V8 on L3 "NONET_L06_P-001" (solid, remove dead copper, pour order 164): 18 vertices, not listed, extent 41.758,23.084 52.192,25.964
VDD_3V3_SENSE on L3 "NONET_L06_P-001" (solid, remove dead copper, pour order 167): 37.795,29.337 38.456,29.337 38.532,29.261 38.532,28.6 38.43,28.499 37.821,28.499 37.719,28.6 37.719,29.261
VSYS on L3 "NONET_L06_P-001" (solid, remove dead copper, pour order 166): 57.404,9.093 58.268,9.093 58.471,8.89 58.471,8.331 58.293,8.153 57.531,8.153 57.302,8.382 57.302,8.992
GND on L2 (split plane): 181 vertices, not listed, extent 0.255,2.255 64.745,31.745
GND on L7 (split plane): 181 vertices, not listed, extent 0.255,2.255 64.745,31.745

## Keep-outs
Keep-Out Layer:
  circle w0.125: c3.5,28.5 r3
  circle w0.125: c3.5,5.5 r3
  circle w0.125: c61.5,5.5 r3
  circle w0.125: c61.5,28.5 r3
  region: 13.494,9.25 13.494,19.5 8.494,19.5 8.494,9.25
  rectangle: 0,8.5 6,25.5

## Other copper
Top Layer:
  pour cut-out: 26.111,21.869 26.137,21.895 26.708,21.895 26.746,21.933 26.746,21.692 26.708,21.73 26.137,21.73 26.111,21.755
  pour cut-out: 26.111,22.365 26.137,22.39 26.708,22.39 26.746,22.428 26.746,22.187 26.708,22.225 26.137,22.225 26.111,22.25
  pour cut-out: 26.2,26.657 26.175,26.683 26.175,27.254 26.137,27.292 26.378,27.292 26.34,27.254 26.34,26.683 26.314,26.657
  pour cut-out: 25.692,26.657 25.667,26.683 25.667,27.254 25.629,27.292 25.87,27.292 25.832,27.254 25.832,26.683 25.806,26.657
  pour cut-out: 26.111,25.87 26.137,25.895 26.708,25.895 26.746,25.933 26.746,25.692 26.708,25.73 26.137,25.73 26.111,25.756
  pour cut-out: 26.111,25.362 26.137,25.387 26.708,25.387 26.746,25.425 26.746,25.184 26.708,25.222 26.137,25.222 26.111,25.248
  pour cut-out: 26.098,18.364 26.124,18.39 26.695,18.39 26.733,18.428 26.733,18.186 26.695,18.225 26.124,18.225 26.098,18.25
  pour cut-out: 26.111,17.361 26.137,17.386 26.708,17.386 26.746,17.424 26.746,17.183 26.708,17.221 26.137,17.221 26.111,17.247
  pour cut-out: 26.111,16.866 26.137,16.891 26.708,16.891 26.746,16.929 26.746,16.688 26.708,16.726 26.137,16.726 26.111,16.751
  pour cut-out: 26.111,16.358 26.137,16.383 26.708,16.383 26.746,16.421 26.746,16.18 26.708,16.218 26.137,16.218 26.111,16.243
  pour cut-out: 17.894,14.249 17.869,14.224 17.297,14.224 17.259,14.186 17.259,14.427 17.297,14.389 17.869,14.389 17.894,14.364
  pour cut-out: 17.894,14.745 17.869,14.719 17.297,14.719 17.259,14.681 17.259,14.922 17.297,14.884 17.869,14.884 17.894,14.859
  pour cut-out: 17.894,15.253 17.869,15.227 17.297,15.227 17.259,15.189 17.259,15.43 17.297,15.392 17.869,15.392 17.894,15.367
  pour cut-out: 17.894,15.748 17.869,15.723 17.297,15.723 17.259,15.684 17.259,15.926 17.297,15.888 17.869,15.888 17.894,15.862
  pour cut-out: 17.894,16.243 17.869,16.218 17.297,16.218 17.259,16.18 17.259,16.421 17.297,16.383 17.869,16.383 17.894,16.358
  pour cut-out: 17.894,16.751 17.869,16.726 17.297,16.726 17.259,16.688 17.259,16.929 17.297,16.891 17.869,16.891 17.894,16.866
  pour cut-out: 17.894,18.25 17.869,18.224 17.297,18.224 17.259,18.186 17.259,18.428 17.297,18.39 17.869,18.39 17.894,18.364
  pour cut-out: 17.894,18.758 17.869,18.732 17.297,18.732 17.259,18.694 17.259,18.936 17.297,18.898 17.869,18.898 17.894,18.872
  pour cut-out: 17.894,19.253 17.869,19.228 17.297,19.228 17.259,19.19 17.259,19.431 17.297,19.393 17.869,19.393 17.894,19.367
  pour cut-out: 17.894,19.748 17.869,19.723 17.297,19.723 17.259,19.685 17.259,19.926 17.297,19.888 17.869,19.888 17.894,19.863
  pour cut-out: 17.894,20.256 17.869,20.231 17.297,20.231 17.259,20.193 17.259,20.434 17.297,20.396 17.869,20.396 17.894,20.371
  pour cut-out: 17.894,20.752 17.869,20.726 17.297,20.726 17.259,20.688 17.259,20.93 17.297,20.891 17.869,20.891 17.894,20.866
  pour cut-out: 17.894,21.247 17.869,21.222 17.297,21.222 17.259,21.184 17.259,21.425 17.297,21.387 17.869,21.387 17.894,21.361
  pour cut-out: 17.894,21.755 17.869,21.73 17.297,21.73 17.259,21.692 17.259,21.933 17.297,21.895 17.869,21.895 17.894,21.869
  pour cut-out: 17.894,22.25 17.869,22.225 17.297,22.225 17.259,22.187 17.259,22.428 17.297,22.39 17.869,22.39 17.894,22.365
  pour cut-out: 17.894,22.746 17.869,22.72 17.297,22.72 17.259,22.682 17.259,22.923 17.297,22.885 17.869,22.885 17.894,22.86
  pour cut-out: 17.894,23.254 17.869,23.228 17.297,23.228 17.259,23.19 17.259,23.431 17.297,23.393 17.869,23.393 17.894,23.368
  pour cut-out: 17.894,23.762 17.869,23.736 17.297,23.736 17.259,23.698 17.259,23.939 17.297,23.901 17.869,23.901 17.894,23.876
  pour cut-out: 17.894,24.244 17.869,24.219 17.297,24.219 17.259,24.181 17.259,24.422 17.297,24.384 17.869,24.384 17.894,24.359
  pour cut-out: 17.894,24.752 17.869,24.727 17.297,24.727 17.259,24.689 17.259,24.93 17.297,24.892 17.869,24.892 17.894,24.867
  pour cut-out: 17.894,25.248 17.869,25.222 17.297,25.222 17.259,25.184 17.259,25.425 17.297,25.387 17.869,25.387 17.894,25.362
  pour cut-out: 17.894,25.749 17.869,25.724 17.297,25.724 17.259,25.686 17.259,25.927 17.297,25.889 17.869,25.889 17.894,25.864
  pour cut-out: 17.691,26.657 17.666,26.683 17.666,27.254 17.628,27.292 17.869,27.292 17.831,27.254 17.831,26.683 17.805,26.657
  pour cut-out: 18.186,26.657 18.161,26.683 18.161,27.254 18.123,27.292 18.364,27.292 18.326,27.254 18.326,26.683 18.301,26.657
  pour cut-out: 18.694,26.657 18.669,26.683 18.669,27.254 18.631,27.292 18.872,27.292 18.834,27.254 18.834,26.683 18.809,26.657
  pour cut-out: 19.202,26.657 19.177,26.683 19.177,27.254 19.139,27.292 19.38,27.292 19.342,27.254 19.342,26.683 19.317,26.657
L2 (plane layer: these items are gaps in the copper):
  region: 25.082,9.747 23.19,9.747 23.19,8.903 25.082,8.903
  region: 25.082,8.903 26.079,9.9 25.235,10.744 24.238,9.747
  region: 27.762,10.744 25.235,10.744 25.235,9.296 27.762,9.296
  pour cut-out: 0,25.5 6,25.5 6.002,8.5 0,8.5
L7 (plane layer: these items are gaps in the copper):
  pour cut-out: 0,25.5 6,25.5 6.002,8.5 0,8.5

## Silkscreen, mask and mechanical layers (free items; w line width, h text height)
Top Overlay:
  circle w0.254: c36.957,5.029 r0.036
  circle w0.254: c51.308,23.622 r0.057
  circle w0.254: c56.42,20.446 r0.025
  circle w0.254: c7.493,28.753 r0.092
  circle w0.254: c41.427,21.387 r0.076
  lines w0.127: 18.034,10.414 18.034,9.398 15.875,9.398 15.875,11.557 18.034,11.557 18.034,11.049 ; 18.288,10.795 22.987,10.795 23.114,10.668
  text "RST" at 49.85,30.15 h0.64
  text "GND" at 7.366,29.464 h0.5
  text "1V8" at 9.906,29.464 h0.5
  text "3V3" at 12.446,29.464 h0.5
  text "VBAK" at 14.732,29.464 h0.5
  text "CS" at 17.78,29.464 h0.5
  text "SCK" at 20.066,29.464 h0.5
  text "SDO" at 22.606,29.464 h0.5
  text "SDI" at 25.146,29.464 h0.5
  text "DAC" at 27.686,29.464 h0.5
  text "SDA6" at 29.972,29.464 h0.5
  text "SCL1" at 32.512,29.464 h0.5
  text "SDA1" at 35.052,29.464 h0.5
  text "STAT" at 54.9,26.4 h0.64
  text "USR" at 34.011,16.104 h0.64
  text "TPU" at 15.8,13.7 h0.64 r90
  text "Model: VA1" at 38.89,13.501 h1.3 r90
  text "Made in China" at 39.99,13.501 h1.3 r90
  text "CAM" at 6.8,13.5 h0.64 r90
  text "Google LLC" at 37.733,13.4 h1.3 r90
  text "Dev Board Micro" at 3.78,9.072 h2.54 r90
  text "GND" at 7.366,4.064 h0.5
  text "1V8" at 9.906,4.064 h0.5
  text "A-A" at 12.446,4.064 h0.5
  text "A-B" at 14.986,4.064 h0.5
  text "TXD" at 17.526,4.064 h0.5
  text "RXD" at 20.066,4.064 h0.5
  text "CTS" at 22.606,4.064 h0.5
  text "RTS" at 25.146,4.064 h0.5
  text "PWM1" at 27.432,4.064 h0.5
  text "PWM0" at 29.972,4.064 h0.5
  text "SCL6" at 32.512,4.064 h0.5
  text "VSYS" at 35.052,4.064 h0.5
Bottom Overlay:
  circle w0.254: c39.624,4.547 r0.025
  rectangle: 35,12.5 42,19.5
  lines w0.127: 0.493,14.387 0.493,9.387 5.493,9.387 5.493,14.387 ; 0.493,14.392 5.493,14.392 ; 7.2,18 7.2,18.6
  text "" at 4.744,24.5 h5.5 r90
  text "" at 22.244,19 h5.5 r90
  text "" at 42.024,11.953 h10 r90
Mechanical 3:
  circle w0.013: c10.994,27 r0.325
  lines w0.013: 31.644,19.6 33.344,19.6 ; 31.644,19.6 31.644,20.4 ; 31.644,19.6 33.344,20.4 ; 31.644,20.4 33.344,19.6 ; 31.644,20.4 33.344,20.4 ; 33.344,19.6 33.344,20.4 ; 6.094,16.15 6.894,16.15 6.894,17.85 6.094,17.85 6.094,16.15 ; 8.417,25.5 8.417,28.5 12.417,28.5 12.417,25.5 8.417,25.5 ; 15.094,16.15 15.094,17.85 15.894,17.85 15.894,16.15 15.094,16.15 ; 28.094,16.15 28.894,16.15 28.894,17.85 28.094,17.85 28.094,16.15 ; 30.394,15.4 30.394,18.6 34.594,18.6 34.594,15.4 30.394,15.4 ; 63.594,9.15 64.394,9.15 64.394,10.85 63.594,10.85 63.594,9.15 ; 63.594,23.15 64.394,23.15 64.394,24.85 63.594,24.85 63.594,23.15
Mechanical 4:
  circle w0.013: c10.994,17 r2
  circle w0.013: c10.994,27 r0.325
  circle w0.013: c3.5,5.5 r1.375
  circle w0.013: c3.5,28.5 r1.375
  circle w0.013: c61.5,5.5 r1.375
  circle w0.013: c61.5,28.5 r1.375
  lines w0.013: 8.494,9.25 8.494,19.5 13.494,19.5 13.494,9.25 ; 0,5 ccw(c3,5) 3,2 62,2 ccw(c62,5) 65,5 65,29 ccw(c62,29) 62,32 3,32 ccw(c3,29) 0,29 0,5 ; 6.754,1.76 6.754,4.3 37.234,4.3 37.234,1.76 6.754,1.76 ; 6.754,29.7 37.234,29.7 37.234,32.24 6.754,32.24 6.754,29.7 ; 7.244,4.75 14.744,4.75 14.744,9.25 7.244,9.25 7.244,4.75 ; 8.417,25.5 12.417,25.5 12.417,28.5 8.417,28.5 8.417,25.5 ; 10.594,22.15 10.594,23.85 11.394,23.85 11.394,22.15 10.594,22.15 ; 28.094,16.15 28.894,16.15 28.894,17.85 28.094,17.85 28.094,16.15 ; 30.394,15.4 30.394,18.6 34.594,18.6 34.594,15.4 30.394,15.4 ; 36.094,16.15 36.894,16.15 36.894,17.85 36.094,17.85 36.094,16.15 ; 63.594,9.15 64.394,9.15 64.394,10.85 63.594,10.85 63.594,9.15 ; 63.594,23.15 64.394,23.15 64.394,24.85 63.594,24.85 63.594,23.15
Outline:
  the board outline again, w0.013

## Text inside footprints (layer, text, board x,y; h text height)
D1: Mechanical 1 "K" at 30.277,15.621 h1.1; Bottom Overlay "K" at 30.277,15.621 h1.1
D2: Mechanical 1 "K" at 42.545,2.845 h1.1; Bottom Overlay "K" at 42.545,2.845 h1.1
D3: Mechanical 1 "K" at 42.545,4.115 h1.1; Bottom Overlay "K" at 42.545,4.115 h1.1
D5: Mechanical 1 "K" at 6.573,18.644 h1.1 r180
D6: Mechanical 1 "K" at 28.518,23.165 h1.1; Bottom Overlay "K" at 28.499,23.165 h1.1
J5: Mechanical 1 "99" at 10.511,26.343 h0.5 r270; Mechanical 1 "2" at 14.956,7.043 h0.5 r270; Mechanical 1 "100" at 14.93,26.068 h0.5 r270; Mechanical 1 "1" at 10.511,7.119 h0.5 r270; Bottom Overlay "1" at 10.75,7.25 h0.5 r90; Bottom Overlay "100" at 14.75,29 h0.5 r90; Bottom Overlay "99" at 11.75,28.75 h0.5 r90; Bottom Overlay "2" at 15.75,7.25 h0.5 r90
J6: Mechanical 1 "2" at 31.043,24.044 h0.5 r180; Mechanical 1 "100" at 50.068,24.07 h0.5 r180; Mechanical 1 "99" at 50.343,28.489 h0.5 r180; Mechanical 1 "1" at 31.119,28.489 h0.5 r180; Bottom Overlay "2" at 30.709,23.597 h0.5; Bottom Overlay "100" at 51.346,23.203 h0.5; Bottom Overlay "99" at 51.206,27.915 h0.5; Bottom Overlay "1" at 30.886,28.296 h0.5
J7: Mechanical 1 "24" at 8.711,4.562 h0.7; Mechanical 1 "1" at 8.584,8.626 h0.7; Mechanical 1 "12" at 13.029,8.648 h0.7; Mechanical 1 "13" at 13.156,4.711 h0.7; Top Overlay "12" at 14.783,8.255 h0.5; Top Overlay "1" at 6.96,8.433 h0.5; Top Overlay "13" at 14.859,5.41 h0.5; Top Overlay "24" at 6.706,4.953 h0.5
J8: Mechanical 1 "1" at 57.861,13.399 h0.8 r90; Mechanical 1 "12" at 57.861,20.16 h0.8 r90; Mechanical 11 "PCB CUTOUT AREA" at 60.888,12.996 h0.8 r90
L7: Mechanical 22 "2" at 56.016,16.6 h0.01; Mechanical 22 "3" at 56.016,17.4 h0.01; Mechanical 22 "1" at 57.716,16.6 h0.01; Mechanical 22 "4" at 57.716,17.4 h0.01
L15: Mechanical 1 "1" at 41.667,3.976 h1
SW1: Mechanical 1 "1" at 25.774,24.774 h1.1; Mechanical 1 "3" at 25.774,21.274 h1.1; Mechanical 1 "4" at 19.024,24.524 h1.1; Mechanical 1 "6" at 19.024,21.224 h1.1; Bottom Overlay "1" at 24.841,26.01 h0.5; Bottom Overlay "3" at 25.222,20.066 h0.5; Bottom Overlay "4" at 18.923,25.933 h0.5; Bottom Overlay "6" at 18.974,20.472 h0.5
SW2: Mechanical 1 "1" at 27.24,17.67 h1; Top Overlay "1" at 27.3,17.5 h1.1
SW3: Mechanical 1 "1" at 57.896,28.668 h0.8 r180; Mechanical 11 "PCB CUTOUT AREA" at 57.097,31.147 h0.4 r180
U1: Mechanical 1 "1" at 28.956,27.272 h0.64; Mechanical 1 "40" at 29.972,28.84 h0.64; Mechanical 1 "31" at 35.052,28.84 h0.64; Mechanical 1 "30" at 36.576,27.272 h0.64; Mechanical 1 "21" at 36.576,22.7 h0.64; Mechanical 1 "20" at 34.798,20.922 h0.64; Mechanical 1 "11" at 30.226,20.922 h0.64; Mechanical 1 "10" at 27.94,22.7 h0.64
U2: Mechanical 1 "1" at 40.144,4.084 h0.6 r90
U3: Mechanical 1 "1" at 7.479,20.753 h1.1 r90; Bottom Overlay "1" at 6.833,19.583 h1.1
U4: Mechanical 1 "1" at 56.158,19.852 h1.1